# KiCad board backplane.20-slot.kicad_pcb (continued)
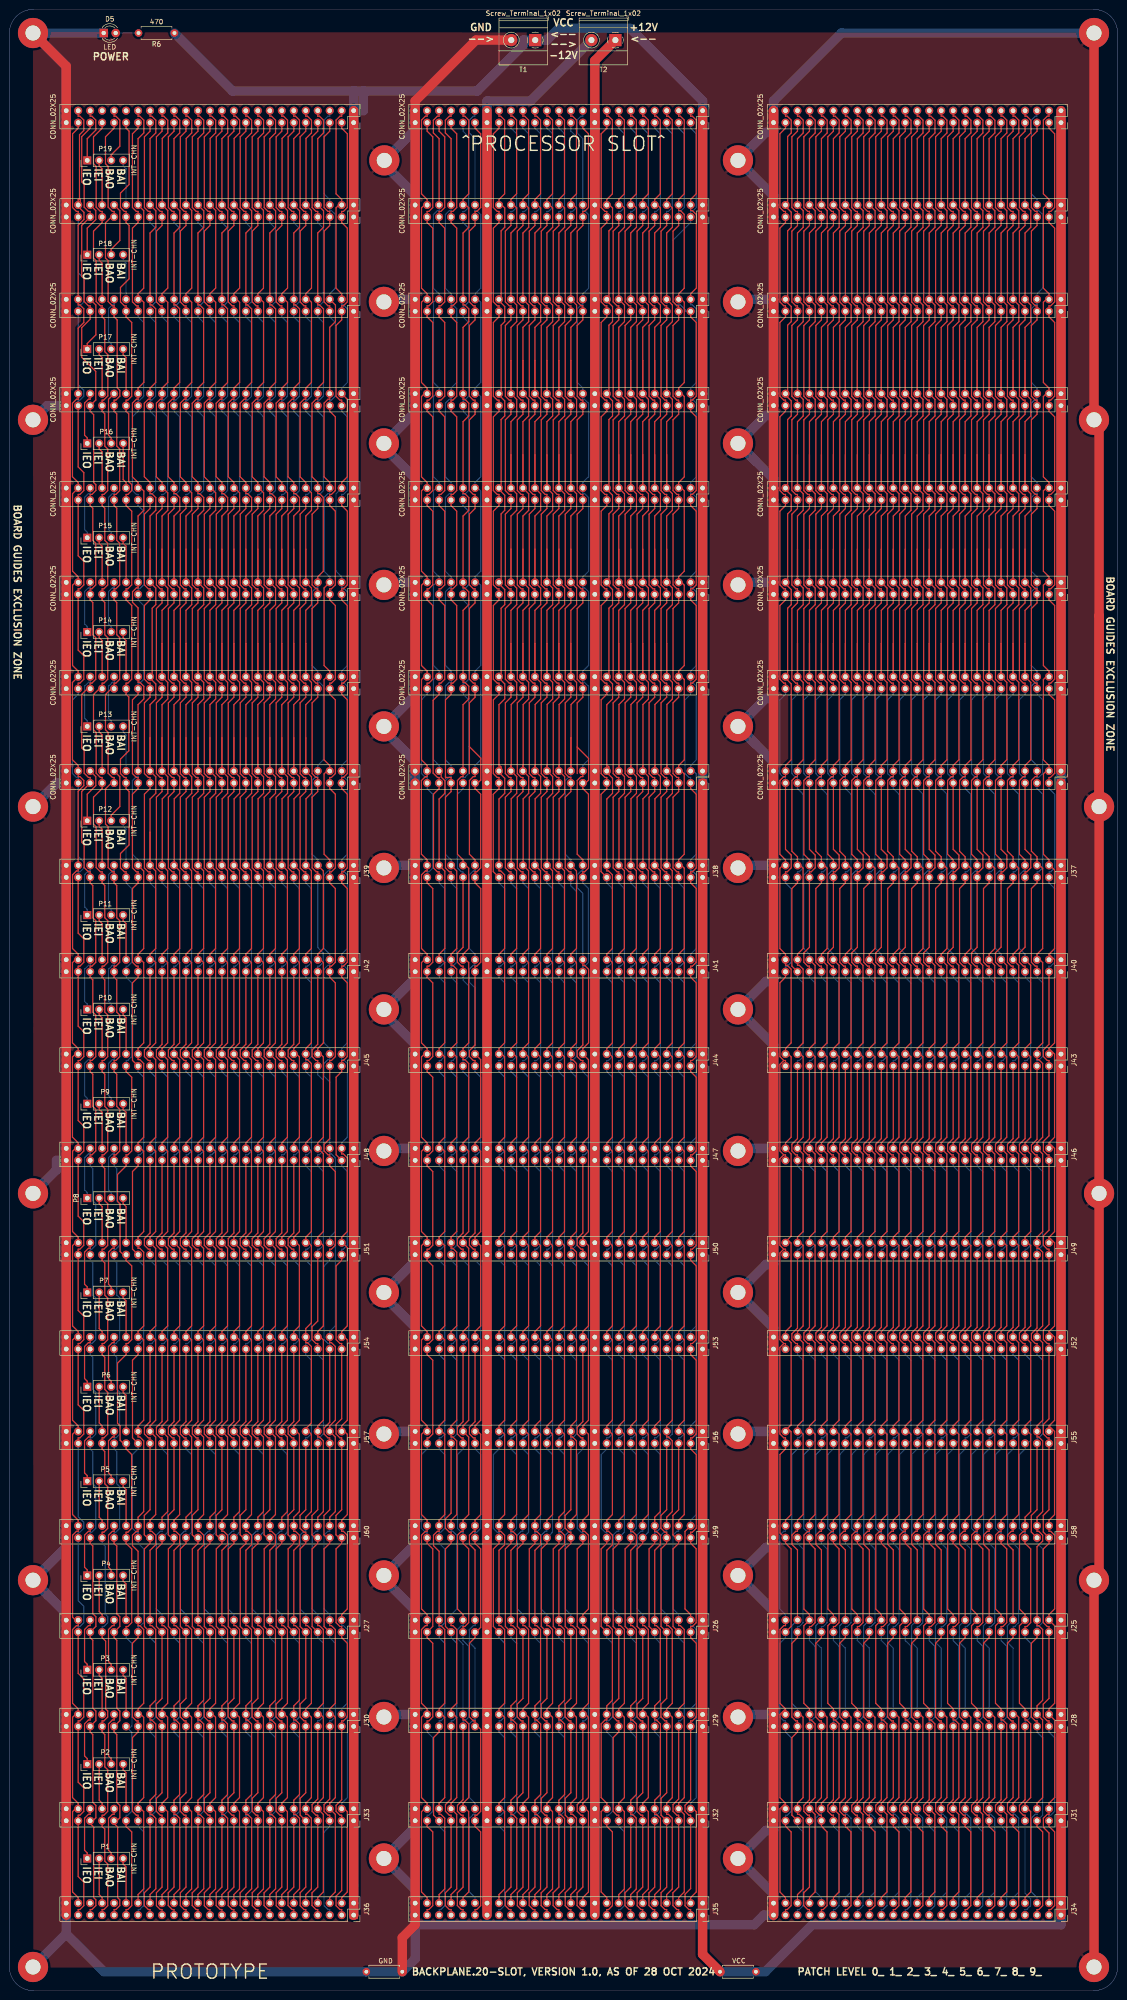
[diagram p0: board, top side]
## Routing (per net, layer and track width the routed paths; a pad name or vN(x,y) marks a point on that pad's centre or on a via; arc(x,y) is an arc through that point) (continued)
/UDS: length 429.9
  Top w0.25: J40.36 181.01,217.35 181.01,200.91 179.82,199.72 179.82,199.13 ; J9.36 179.82,305.57 ; J9.36 181.04,297.32 181.04,293.82 179.82,292.6 179.82,285.57 ; J9.36 179.82,305.57 ; 179.82,305.57 179.82,312.6 181.04,313.82 181.04,317.32 J12.36 ; 179.82,325.57 179.82,332.6 181.04,333.82 181.04,337.32 J15.36 ; 179.82,325.57 J12.36 ; 179.82,325.57 J12.36 ; 179.82,159.13 181.01,157.93 181.01,140.91 179.82,139.72 J52.36 181.01,137.35 181.01,120.91 179.82,119.72 179.82,119.13 ; 179.82,159.13 179.82,159.72 181.01,160.91 181.01,177.35 J46.36 179.82,179.72 181.01,180.91 181.01,197.93 179.82,199.13 ; 179.82,159.13 J49.36 ; 179.82,345.57 179.82,352.6 181.04,353.82 181.04,357.32 J18.36 179.82,372.6 181.04,373.82 181.04,377.32 J21.36 179.82,392.6 181.04,393.82 181.04,396.51 180.19,397.36 179.82,397.36 J24.36 ; 179.82,345.57 J15.36 ; 179.82,345.57 J15.36 ; J43.36 179.82,199.13 ; J6.36 181.04,277.32 181.04,260.93 179.82,259.72 J3.36 179.82,257.36 179.45,257.36 178.63,256.54 178.63,240.91 179.82,239.72 J37.36 ; J6.36 179.82,285.57 ; J6.36 179.82,285.57 ; 179.82,119.13 181.01,117.93 181.01,100.91 179.82,99.72 J58.36 179.82,97.36 179.45,97.36 178.64,96.56 178.64,80.89 179.82,79.72 J25.36 178.63,77.35 178.63,60.91 179.82,59.72 J28.36 179.82,57.36 180.19,57.36 181.01,56.54 181.01,40.91 179.82,39.72 J31.36 181.01,37.35 181.01,20.91 179.82,19.72 J34.36 ; 179.82,119.13 J55.36
  Bottom w0.25: J40.36 179.82,219.72 178.63,220.91 178.63,236.54 179.45,237.36 179.82,237.36 J37.36
/USER0: length 405.1
  Top w0.25: J36.38 27.28,20.35 28.47,21.54 28.47,37.94 27.28,39.13 ; J16.38 27.28,359.13 ; 27.28,359.13 28.5,357.91 28.5,340.93 27.28,339.72 J13.38 27.28,337.36 26.91,337.36 26.09,336.54 26.09,320.91 27.28,319.72 27.28,319.13 ; 27.28,359.13 27.28,359.72 28.47,360.91 28.47,377.35 J19.38 27.28,392.6 28.5,393.82 28.5,396.51 27.65,397.36 27.28,397.36 J22.38 ; 27.28,179.13 28.47,177.94 28.47,160.91 27.28,159.72 J51.38 27.28,157.36 27.65,157.36 28.47,156.54 28.47,140.91 27.28,139.72 27.28,139.13 ; 27.28,179.13 27.28,179.72 28.47,180.91 28.47,196.54 27.65,197.36 27.28,197.36 J45.38 27.28,199.72 28.47,200.91 28.47,217.94 27.28,219.13 ; 27.28,179.13 J48.38 ; 27.28,319.13 28.5,317.91 28.5,313.82 27.28,312.6 J7.38 27.28,297.36 26.91,297.36 26.1,296.55 26.1,294.3 27.28,293.13 J4.38 27.28,277.36 27.65,277.36 28.5,276.51 28.5,273.82 27.28,272.6 J1.38 ; 27.28,319.13 J10.38 ; 27.28,219.13 J42.38 ; 27.28,219.13 27.28,219.72 28.47,220.91 28.47,237.35 27.28,238.54 ; 27.28,238.54 J39.38 27.28,238.54 ; 27.28,59.13 27.28,59.72 28.47,60.91 28.47,76.54 27.65,77.36 27.28,77.36 J27.38 27.28,93.13 26.09,94.32 26.09,96.54 26.91,97.36 27.28,97.36 J60.38 27.28,100.35 28.47,101.54 28.47,116.54 27.65,117.36 27.28,117.36 J57.38 27.28,119.72 28.47,120.91 28.47,137.94 27.28,139.13 ; 27.28,59.13 J30.38 ; 27.28,59.13 28.47,57.94 28.47,40.91 27.28,39.72 27.28,39.13 ; 27.28,139.13 J54.38 ; 27.28,39.13 J33.38
  Bottom w0.25: J1.38 27.28,257.36 26.91,257.36 26.09,256.54 26.09,240.91 27.28,239.72 J39.38
/USER1: length 425.4
  Top w0.25: 29.82,179.13 29.82,179.72 31.01,180.91 31.01,197.35 J45.36 ; 29.82,179.13 31.01,177.93 31.01,160.91 29.82,159.72 29.82,159.13 ; 29.82,179.13 J48.36 ; J7.36 29.82,305.57 ; J7.36 31.04,297.32 31.04,293.82 30.27,293.05 30.27,278.54 ; J7.36 29.82,305.57 ; 29.82,305.57 29.82,312.6 31.04,313.82 31.04,316.51 30.19,317.36 29.82,317.36 J10.36 29.82,319.72 28.6,320.93 28.6,336.51 29.45,337.36 29.82,337.36 J13.36 29.82,339.72 31.02,340.91 31.02,356.53 30.19,357.36 29.82,357.36 J16.36 29.82,372.6 31.05,373.83 31.05,377.31 J19.36 29.82,392.6 31.04,393.82 31.04,396.51 30.19,397.36 29.82,397.36 J22.36 ; 29.82,278.54 30.27,278.54 ; 29.82,278.54 J4.36 29.82,278.54 ; 30.27,278.54 30.27,277.78 31.04,277.01 31.04,273.82 29.82,272.6 29.82,265.57 ; J42.36 29.82,219.13 ; 29.82,219.13 31.01,217.93 31.01,200.91 29.82,199.72 29.82,199.13 ; 29.82,219.13 29.82,219.72 31.01,220.91 31.01,237.35 J39.36 ; J39.36 29.82,245.57 ; J39.36 29.82,245.57 ; 29.82,119.13 29.82,119.72 31.01,120.91 31.01,137.93 29.82,139.13 ; 29.82,119.13 J57.36 ; 29.82,119.13 J57.36 ; 29.82,245.57 29.82,252.6 31.04,253.82 31.04,257.32 J1.36 ; J57.36 31.01,117.35 31.01,100.91 29.82,99.72 J60.36 29.82,97.36 30.19,97.36 31.01,96.54 31.01,94.52 29.82,93.33 J27.36 29.82,77.36 30.19,77.36 31.01,76.54 31.01,61.55 29.82,60.35 J30.36 29.82,57.36 30.19,57.36 31.03,56.52 31.03,41.57 29.82,40.35 J33.36 29.82,37.36 30.19,37.36 31.04,36.51 31.04,21.57 29.82,20.35 J36.36 ; J51.36 31.01,157.35 31.01,140.91 29.82,139.72 29.82,139.13 ; J51.36 29.82,159.13 ; J51.36 29.82,159.13 ; 29.82,139.13 J54.36 ; J45.36 29.82,199.13 ; J45.36 29.82,199.13 ; 29.82,265.57 J1.36 ; 29.82,265.57 J1.36
/USER2: length 426.4
  Top w0.25: 32.36,199.13 J45.34 ; 32.36,199.13 J45.34 ; 32.36,199.13 32.36,199.72 33.55,200.91 33.55,217.93 32.36,219.13 ; J45.34 33.55,197.35 33.55,180.91 32.36,179.72 32.36,179.13 ; 32.36,305.57 32.36,312.6 33.58,313.82 33.58,317.52 32.36,318.74 ; 32.36,305.57 J7.34 ; 32.36,305.57 J7.34 ; 32.36,285.57 J4.34 ; 32.36,285.57 J4.34 ; 32.36,285.57 32.36,292.6 33.58,293.82 33.58,297.32 J7.34 ; J4.34 33.58,277.32 33.58,273.82 32.36,272.6 32.36,265.57 ; 32.41,238.54 32.41,252.65 33.58,253.82 33.58,257.32 J1.34 ; 32.41,238.54 33.55,237.4 33.55,220.91 32.36,219.72 32.36,219.13 ; 32.41,238.54 32.36,238.54 ; 32.36,219.13 J42.34 ; J16.34 32.36,359.13 ; 32.36,359.13 32.36,359.72 33.58,360.93 33.58,377.37 32.41,378.54 ; 32.36,359.13 33.58,357.91 33.58,340.93 32.36,339.72 J13.34 32.36,337.36 31.99,337.36 31.17,336.54 31.17,320.91 32.36,319.72 32.36,318.74 ; 32.36,265.57 J1.34 ; 32.36,265.57 J1.34 ; 32.36,39.13 32.36,39.72 33.55,40.91 33.55,57.94 32.36,59.13 ; 32.36,39.13 33.55,37.94 33.55,21.54 32.36,20.35 J36.34 ; 32.36,39.13 J33.34 ; 32.36,139.13 33.55,137.93 33.55,120.91 32.36,119.72 32.36,119.13 ; 32.36,139.13 J54.34 ; 32.36,139.13 32.36,139.72 33.55,140.91 33.55,157.35 J51.34 ; 32.36,238.54 J39.34 32.36,238.54 ; 32.41,378.54 32.41,392.65 33.58,393.82 33.58,396.51 32.73,397.36 32.36,397.36 J22.34 ; 32.41,378.54 J19.34 ; 32.36,179.13 33.55,177.93 33.55,160.91 32.36,159.72 32.36,159.13 ; 32.36,179.13 J48.34 ; 32.36,59.13 32.36,59.72 33.55,60.91 33.55,76.54 32.73,77.36 32.36,77.36 J27.34 ; 32.36,59.13 J30.34 ; J51.34 32.36,159.13 ; J51.34 32.36,159.13 ; 32.36,119.13 J57.34 ; 32.36,119.13 J57.34 ; J10.34 32.36,318.74 ; J57.34 33.55,117.35 33.55,101.55 32.36,100.35 J60.34
  Bottom w0.25: J27.34 32.36,79.72 31.17,80.91 31.17,96.54 31.99,97.36 32.36,97.36 J60.34
/USER3: length 425.3
  Top w0.25: 34.9,179.13 36.09,177.93 36.09,160.91 34.9,159.72 34.9,159.13 ; 34.9,179.13 34.9,179.72 36.09,180.91 36.09,197.35 J45.32 ; 34.9,179.13 J48.32 ; J51.32 36.09,157.35 36.09,140.91 34.9,139.72 34.9,139.13 ; J51.32 34.9,159.13 ; J51.32 34.9,159.13 ; J54.32 34.9,139.13 ; 34.9,139.13 36.09,137.93 36.09,120.91 34.9,119.72 34.9,119.13 ; 34.9,119.13 J57.32 ; 34.9,119.13 J57.32 ; J1.32 34.9,265.57 ; J1.32 36.12,257.32 36.12,253.82 34.95,252.65 34.95,238.54 ; J1.32 34.9,265.57 ; 34.9,265.57 34.9,272.6 36.12,273.82 36.12,277.32 J4.32 ; J36.32 34.9,20.35 36.11,21.56 36.11,36.52 35.27,37.36 34.9,37.36 J33.32 34.9,40.35 36.08,41.53 36.08,56.55 35.27,57.36 34.9,57.36 J30.32 34.9,60.35 36.09,61.55 36.09,76.54 35.27,77.36 34.9,77.36 J27.32 34.9,93.33 36.09,94.52 36.09,96.54 35.27,97.36 34.9,97.36 J60.32 34.9,99.72 36.09,100.91 36.09,117.35 J57.32 ; 34.95,238.54 34.9,238.54 ; 34.95,238.54 36.09,237.4 36.09,220.91 34.9,219.72 34.9,219.13 ; 34.9,238.54 J39.32 34.9,238.54 ; 34.9,305.57 J7.32 ; 34.9,305.57 J7.32 ; 34.9,305.57 34.9,312.6 36.12,313.82 36.12,316.51 35.27,317.36 34.9,317.36 J10.32 34.9,319.72 33.68,320.93 33.68,336.51 34.53,337.36 34.9,337.36 J13.32 34.9,339.72 36.1,340.91 36.1,356.53 35.27,357.36 34.9,357.36 J16.32 34.9,372.6 36.13,373.83 36.13,377.31 J19.32 34.9,392.6 36.12,393.82 36.12,396.51 35.27,397.36 34.9,397.36 J22.32 ; J7.32 36.12,297.32 36.12,293.82 34.9,292.6 34.9,285.57 ; J4.32 34.9,285.57 ; J4.32 34.9,285.57 ; J42.32 34.9,219.13 ; 34.9,219.13 36.09,217.93 36.09,200.91 34.9,199.72 34.9,199.13 ; 34.9,199.13 J45.32 ; 34.9,199.13 J45.32
/USER4: length 426.4
  Top w0.25: 37.44,238.54 J39.30 37.44,238.54 ; 37.44,238.54 37.49,238.54 ; 37.44,265.57 37.44,272.6 38.66,273.82 38.66,277.32 J4.30 ; 37.44,265.57 J1.30 ; 37.44,265.57 J1.30 ; 37.49,238.54 38.63,237.4 38.63,220.91 37.44,219.72 37.44,219.13 ; 37.49,238.54 37.49,252.65 38.66,253.82 38.66,257.32 J1.30 ; J19.30 37.49,378.54 ; 37.49,378.54 38.66,377.37 38.66,360.93 37.44,359.72 37.44,359.13 ; 37.49,378.54 37.49,392.65 38.66,393.82 38.66,396.51 37.81,397.36 37.44,397.36 J22.30 ; 37.44,179.13 38.63,177.93 38.63,160.91 37.44,159.72 37.44,159.13 ; 37.44,179.13 J48.30 ; 37.44,179.13 37.44,179.72 38.63,180.91 38.63,197.35 J45.30 ; J4.30 37.44,285.57 ; J4.30 37.44,285.57 ; J51.30 38.63,157.35 38.63,140.91 37.44,139.72 37.44,139.13 ; J51.30 37.44,159.13 ; J51.30 37.44,159.13 ; 37.44,305.57 J7.30 ; 37.44,305.57 37.44,312.6 38.66,313.82 38.66,317.52 37.44,318.74 ; 37.44,305.57 J7.30 ; J7.30 38.66,297.32 38.66,293.82 37.44,292.6 37.44,285.57 ; J45.30 37.44,199.13 ; J45.30 37.44,199.13 ; 37.44,219.13 38.63,217.93 38.63,200.91 37.44,199.72 37.44,199.13 ; 37.44,219.13 J42.30 ; 37.44,139.13 J54.30 ; 37.44,139.13 38.63,137.93 38.63,120.91 37.44,119.72 37.44,119.13 ; J57.30 38.63,117.35 38.63,101.55 37.44,100.35 J60.30 ; J57.30 37.44,119.13 ; J57.30 37.44,119.13 ; J27.30 37.44,77.36 37.81,77.36 38.63,76.54 38.63,60.91 37.44,59.72 37.44,59.13 ; J36.30 37.44,20.35 38.63,21.54 38.63,37.94 37.44,39.13 ; 37.44,39.13 J33.30 ; 37.44,39.13 37.44,39.72 38.63,40.91 38.63,57.94 37.44,59.13 ; 37.44,359.13 38.66,357.91 38.66,340.93 37.44,339.72 J13.30 37.44,337.36 37.07,337.36 36.25,336.54 36.25,320.91 37.44,319.72 37.44,318.74 ; 37.44,359.13 J16.30 ; 37.44,318.74 J10.30 ; J30.30 37.44,59.13
  Bottom w0.25: J60.30 37.44,97.36 37.07,97.36 36.25,96.54 36.25,80.91 37.44,79.72 J27.30
/USER5: length 425.3
  Top w0.25: 39.98,159.13 J51.28 ; 39.98,159.13 39.98,159.72 41.17,160.91 41.17,177.93 39.98,179.13 ; 39.98,159.13 J51.28 ; J51.28 41.17,157.35 41.17,140.91 39.98,139.72 39.98,139.13 ; 39.98,238.54 J39.28 39.98,238.54 ; 39.98,238.54 40.03,238.54 ; J1.28 41.2,257.32 41.2,253.82 40.03,252.65 40.03,238.54 ; J1.28 39.98,265.57 ; J1.28 39.98,265.57 ; J57.28 41.17,117.35 41.17,100.91 39.98,99.72 J60.28 39.98,97.36 40.35,97.36 41.17,96.54 41.17,94.52 39.98,93.33 J27.28 39.98,77.36 40.35,77.36 41.17,76.54 41.17,61.55 39.98,60.35 J30.28 39.98,57.36 40.35,57.36 41.19,56.52 41.19,41.57 39.98,40.35 J33.28 39.98,37.36 40.35,37.36 41.2,36.51 41.2,21.57 39.98,20.35 J36.28 ; J57.28 39.98,119.13 ; J57.28 39.98,119.13 ; J4.28 41.2,277.32 41.2,273.82 39.98,272.6 39.98,265.57 ; J4.28 39.98,285.57 ; J4.28 39.98,285.57 ; 39.98,285.57 39.98,292.6 41.2,293.82 41.2,297.32 J7.28 ; 39.98,119.13 39.98,119.72 41.17,120.91 41.17,137.93 39.98,139.13 ; 39.98,219.13 41.17,217.93 41.17,200.91 39.98,199.72 39.98,199.13 ; 39.98,219.13 J42.28 ; 39.98,219.13 39.98,219.72 41.17,220.91 41.17,237.4 40.03,238.54 ; 39.98,139.13 J54.28 ; 39.98,305.57 J7.28 ; 39.98,305.57 39.98,312.6 41.2,313.82 41.2,316.51 40.35,317.36 39.98,317.36 J10.28 39.98,319.72 38.76,320.93 38.76,336.51 39.61,337.36 39.98,337.36 J13.28 39.98,339.72 41.18,340.91 41.18,356.53 40.35,357.36 39.98,357.36 J16.28 39.98,372.6 41.21,373.83 41.21,377.31 J19.28 39.98,392.6 41.2,393.82 41.2,396.51 40.35,397.36 39.98,397.36 J22.28 ; 39.98,305.57 J7.28 ; 39.98,199.13 J45.28 ; 39.98,199.13 J45.28 ; J45.28 41.17,197.35 41.17,180.91 39.98,179.72 39.98,179.13 ; 39.98,179.13 J48.28
/USER6: length 426.4
  Top w0.25: 42.52,179.13 42.52,179.72 43.71,180.91 43.71,197.35 J45.26 ; 42.52,179.13 J48.26 ; 42.52,179.13 43.71,177.93 43.71,160.91 42.52,159.72 42.52,159.13 ; J42.26 42.52,219.13 ; 42.52,219.13 42.52,219.72 43.71,220.91 43.71,237.4 42.57,238.54 ; 42.52,219.13 43.71,217.93 43.71,200.91 42.52,199.72 42.52,199.13 ; 42.52,265.57 J1.26 ; 42.52,265.57 J1.26 ; 42.52,265.57 42.52,272.6 43.74,273.82 43.74,277.32 J4.26 ; J1.26 43.74,257.32 43.74,253.82 42.57,252.65 42.57,238.54 ; J22.26 42.52,397.36 42.89,397.36 43.74,396.51 43.74,393.82 42.57,392.65 42.57,378.54 ; 42.52,159.13 J51.26 ; 42.52,159.13 J51.26 ; J51.26 43.71,157.35 43.71,140.91 42.52,139.72 42.52,139.13 ; 42.52,139.13 43.71,137.93 43.71,120.91 42.52,119.72 42.52,119.13 ; 42.52,139.13 J54.26 ; J33.26 42.52,39.13 ; 42.52,39.13 43.71,37.94 43.71,21.54 42.52,20.35 J36.26 ; 42.52,39.13 42.52,39.72 43.71,40.91 43.71,57.94 42.52,59.13 ; 42.57,238.54 42.52,238.54 ; 42.52,199.13 J45.26 ; 42.52,199.13 J45.26 ; 42.52,305.57 J7.26 ; 42.52,305.57 J7.26 ; 42.52,305.57 42.52,312.6 43.74,313.82 43.74,317.52 42.52,318.74 ; J7.26 43.74,297.32 43.74,293.82 42.52,292.6 42.52,285.57 ; J19.26 42.57,378.54 ; 42.57,378.54 43.74,377.37 43.74,360.93 42.52,359.72 42.52,359.13 ; 42.52,119.13 J57.26 ; 42.52,119.13 J57.26 ; J57.26 43.71,117.35 43.71,101.55 42.52,100.35 J60.26 ; 42.52,59.13 42.52,59.72 43.71,60.91 43.71,76.54 42.89,77.36 42.52,77.36 J27.26 ; 42.52,59.13 J30.26 ; 42.52,318.74 42.52,319.72 41.33,320.91 41.33,336.54 42.15,337.36 42.52,337.36 J13.26 42.52,339.72 43.74,340.93 43.74,357.91 42.52,359.13 ; 42.52,318.74 J10.26 ; 42.52,359.13 J16.26 ; 42.52,285.57 J4.26 ; 42.52,285.57 J4.26 ; 42.52,238.54 J39.26 42.52,238.54
  Bottom w0.25: J60.26 42.52,97.36 42.15,97.36 41.33,96.54 41.33,80.91 42.52,79.72 J27.26
/USER7: length 425.3
  Top w0.25: J51.24 46.25,157.35 46.25,140.91 45.06,139.72 45.06,139.13 ; J51.24 45.06,159.13 ; J51.24 45.06,159.13 ; 45.06,265.57 J1.24 ; 45.06,265.57 45.06,272.6 46.28,273.82 46.28,277.32 J4.24 ; 45.06,265.57 J1.24 ; J1.24 46.28,257.32 46.28,253.82 45.11,252.65 45.11,238.54 ; J48.24 45.06,179.13 ; 45.06,179.13 46.25,177.93 46.25,160.91 45.06,159.72 45.06,159.13 ; 45.06,179.13 45.06,179.72 46.25,180.91 46.25,197.35 J45.24 ; 45.06,238.54 J39.24 45.06,238.54 ; 45.06,238.54 45.11,238.54 ; 45.06,219.13 45.06,219.72 46.25,220.91 46.25,237.4 45.11,238.54 ; 45.06,219.13 46.25,217.93 46.25,200.91 45.06,199.72 45.06,199.13 ; 45.06,219.13 J42.24 ; J36.24 45.06,20.35 46.27,21.56 46.27,36.52 45.43,37.36 45.06,37.36 J33.24 45.06,40.35 46.24,41.53 46.24,56.55 45.43,57.36 45.06,57.36 J30.24 45.06,60.35 46.25,61.55 46.25,76.54 45.43,77.36 45.06,77.36 J27.24 45.06,93.33 46.25,94.52 46.25,96.54 45.43,97.36 45.06,97.36 J60.24 45.06,99.72 46.25,100.91 46.25,117.35 J57.24 ; J57.24 45.06,119.13 ; J57.24 45.06,119.13 ; 45.06,119.13 45.06,119.72 46.25,120.91 46.25,137.93 45.06,139.13 ; J7.24 45.06,305.57 ; J7.24 45.06,305.57 ; J7.24 46.28,297.32 46.28,293.82 45.06,292.6 45.06,285.57 ; 45.06,305.57 45.06,312.6 46.28,313.82 46.28,316.51 45.43,317.36 45.06,317.36 J10.24 45.06,319.72 43.84,320.93 43.84,336.51 44.7,337.36 45.06,337.36 J13.24 45.06,339.72 46.26,340.91 46.26,356.53 45.43,357.36 45.06,357.36 J16.24 45.06,372.6 46.29,373.83 46.29,377.31 J19.24 45.06,392.6 46.28,393.82 46.28,396.51 45.43,397.36 45.06,397.36 J22.24 ; J45.24 45.06,199.13 ; J45.24 45.06,199.13 ; 45.06,285.57 J4.24 ; 45.06,285.57 J4.24 ; 45.06,139.13 J54.24
/USER8: length 426.4
  Top w0.25: J51.22 48.79,157.35 48.79,140.91 47.6,139.72 47.6,139.13 ; J51.22 47.6,159.13 ; J51.22 47.6,159.13 ; 47.6,359.13 48.82,357.91 48.82,340.93 47.6,339.72 J13.22 47.6,337.36 47.23,337.36 46.41,336.54 46.41,320.91 47.6,319.72 47.6,318.74 ; 47.6,359.13 J16.22 ; 47.6,359.13 47.6,359.72 48.82,360.93 48.82,377.37 47.65,378.54 ; 47.6,318.74 48.82,317.52 48.82,313.82 47.6,312.6 47.6,305.57 ; 47.6,318.74 J10.22 ; J36.22 47.6,20.35 48.79,21.54 48.79,37.94 47.6,39.13 ; 47.6,285.57 J4.22 ; 47.6,285.57 J4.22 ; 47.6,285.57 47.6,292.6 48.82,293.82 48.82,297.32 J7.22 ; J4.22 48.82,277.32 48.82,273.82 47.6,272.6 47.6,265.57 ; 47.6,59.13 47.6,59.72 48.79,60.91 48.79,76.54 47.97,77.36 47.6,77.36 J27.22 ; 47.6,59.13 J30.22 ; 47.6,59.13 48.79,57.94 48.79,40.91 47.6,39.72 47.6,39.13 ; 47.6,219.13 47.6,219.72 48.79,220.91 48.79,237.4 47.65,238.54 ; 47.6,219.13 J42.22 ; 47.6,219.13 48.79,217.93 48.79,200.91 47.6,199.72 47.6,199.13 ; 47.6,39.13 J33.22 ; 47.6,159.13 47.6,159.72 48.79,160.91 48.79,177.93 47.6,179.13 ; 47.65,378.54 J19.22 ; 47.65,378.54 47.65,392.65 48.82,393.82 48.82,396.51 47.97,397.36 47.6,397.36 J22.22 ; 47.6,305.57 J7.22 ; 47.6,305.57 J7.22 ; J57.22 48.79,117.35 48.79,101.55 47.6,100.35 J60.22 ; J57.22 47.6,119.13 ; J57.22 47.6,119.13 ; 47.6,119.13 47.6,119.72 48.79,120.91 48.79,137.93 47.6,139.13 ; 47.6,238.54 J39.22 47.6,238.54 ; 47.6,238.54 47.65,238.54 ; J48.22 47.6,179.13 ; 47.6,179.13 47.6,179.72 48.79,180.91 48.79,197.35 J45.22 ; 47.6,265.57 J1.22 ; 47.6,265.57 J1.22 ; J1.22 48.82,257.32 48.82,253.82 47.65,252.65 47.65,238.54 ; 47.6,199.13 J45.22 ; 47.6,199.13 J45.22 ; 47.6,139.13 J54.22
  Bottom w0.25: J27.22 47.6,79.72 46.41,80.91 46.41,96.54 47.23,97.36 47.6,97.36 J60.22
/~{BAI-1}: length 9.7
  Top w0.25: P1.4 24.12,26.82 24.74,26.2 J36.40
/~{BAI-2}: length 9.7
  Top w0.25: P2.4 24.12,46.82 24.74,46.2 J33.40
/~{BAI-3}: length 9.7
  Top w0.25: P3.4 24.12,66.82 24.74,66.2 J30.40
/~{BAI-4}: length 9.7
  Top w0.25: J27.40 24.74,86.2 24.12,86.82 P4.4
/~{BAI-5}: length 9.7
  Top w0.25: J60.40 24.74,106.2 24.12,106.82 P5.4
/~{BAI-6}: length 9.7
  Top w0.25: J57.40 24.74,126.2 24.12,126.82 P6.4
/~{BAI-7}: length 9.7
  Top w0.25: P7.4 24.12,146.82 24.74,146.2 J54.40
/~{BAI-8}: length 9.7
  Top w0.25: P8.4 24.12,166.82 24.74,166.2 J51.40
/~{BAI-9}: length 9.7
  Top w0.25: J48.40 24.74,186.2 24.12,186.82 P9.4
/~{BAI-10}: length 9.7
  Top w0.25: J45.40 24.74,206.2 24.12,206.82 P10.4
/~{BAI-11}: length 9.7
  Top w0.25: P11.4 24.12,226.82 24.74,226.2 J42.40
/~{BAI-12}: length 9.7
  Bottom w0.25: P12.4 24.12,246.82 24.74,246.2 J39.40
/~{BAI-13}: length 9.7
  Bottom w0.25: J1.40 24.74,266.2 24.12,266.82 P13.4
/~{BAI-14}: length 9.7
  Top w0.25: J4.40 24.74,286.2 24.12,286.82 P14.4
/~{BAI-15}: length 9.7
  Top w0.25: P15.4 24.12,306.82 24.74,306.2 J7.40
/~{BAI-16}: length 9.7
  Top w0.25: J10.40 24.74,319.72 24.12,320.34 P16.4
/~{BAI-17}: length 9.7
  Top w0.25: J13.40 24.74,346.2 24.12,346.82 P17.4
/~{BAI-18}: length 9.7
  Bottom w0.25: P18.4 24.12,366.82 24.74,366.2 J16.40
/~{BAI-19}: length 9.7
  Bottom w0.25: J19.40 24.74,386.2 24.12,386.82 P19.4
/~{BAO-2}: length 11.5
  Top w0.25: P1.3 21.58,29.18 21.01,29.74 21.01,36.54 21.83,37.36 22.2,37.36 J33.42
/~{BAO-3}: length 11.5
  Top w0.25: P2.3 21.58,49.18 21.01,49.74 21.01,56.54 21.83,57.36 22.2,57.36 J30.42
/~{BAO-4}: length 11.5
  Top w0.25: P3.3 21.58,69.18 21.01,69.74 21.01,76.54 21.83,77.36 22.2,77.36 J27.42
/~{BAO-5}: length 11.5
  Top w0.25: P4.3 21.58,89.18 21.01,89.74 21.01,96.54 21.83,97.36 22.2,97.36 J60.42
/~{BAO-6}: length 11.5
  Top w0.25: P5.3 21.58,109.18 21.01,109.74 21.01,116.54 21.83,117.36 22.2,117.36 J57.42
/~{BAO-7}: length 11.5
  Top w0.25: J54.42 22.2,137.36 21.83,137.36 21.01,136.54 21.01,129.74 21.58,129.18 P6.3
/~{BAO-8}: length 11.5
  Top w0.25: P7.3 21.58,149.18 21.01,149.74 21.01,156.54 21.83,157.36 22.2,157.36 J51.42
/~{BAO-9}: length 11.5
  Bottom w0.25: J48.42 22.2,177.36 21.83,177.36 21.01,176.54 21.01,169.74 21.58,169.18 P8.3
/~{BAO-10}: length 11.5
  Bottom w0.25: P9.3 21.58,189.18 21.01,189.74 21.01,196.54 21.83,197.36 22.2,197.36 J45.42
/~{BAO-11}: length 11.5
  Bottom w0.25: P10.3 21.58,209.18 21.01,209.74 21.01,216.54 21.83,217.36 22.2,217.36 J42.42
/~{BAO-12}: length 11.5
  Bottom w0.25: P11.3 21.58,229.18 21.01,229.74 21.01,236.54 21.83,237.36 22.2,237.36 J39.42
/~{BAO-13}: length 11.8
  Top w0.25: 22.2,258.54 23.41,257.33 23.41,251 21.58,249.18 P12.3 ; 22.2,258.54 J1.42 22.2,258.54
/~{BAO-14}: length 11.5
  Bottom w0.25: J4.42 22.2,277.36 21.83,277.36 21.01,276.54 21.01,269.74 21.58,269.18 P13.3
/~{BAO-15}: length 11.5
  Bottom w0.25: J7.42 22.2,297.36 21.83,297.36 21.01,296.54 21.01,289.74 21.58,289.18 P14.3
/~{BAO-16}: length 11.5
  Bottom w0.25: J10.42 22.2,317.36 21.83,317.36 21.01,316.54 21.01,309.74 21.58,309.18 P15.3
/~{BAO-17}: length 11.3
  Top w0.25: P16.3 21.58,329.18 21.01,329.74 21.01,337.35 J13.42
/~{BAO-18}: length 11.5
  Bottom w0.25: P17.3 21.58,349.18 21.01,349.74 21.01,356.54 21.83,357.36 22.2,357.36 J16.42
/~{BAO-19}: length 11.8
  Top w0.25: J19.42 23.41,377.33 23.41,371 21.58,369.18 P18.3
/~{BAO-20}: length 12
  Top w0.25: J22.42 22.2,397.36 22.57,397.36 23.41,396.52 23.41,391 21.58,389.18 P19.3
/~{BHE}: length 403.2
  Top w0.25: J37.41 172.2,234.82 171.01,233.63 171.01,218 171.83,217.18 172.2,217.18 J40.41 ; J52.41 172.2,137.18 171.83,137.18 171.01,138 171.01,139.42 172.2,140.61 J49.41 ; J43.41 172.2,180.61 171.01,179.42 171.01,178 171.83,177.18 172.2,177.18 J46.41 ; J25.41 172.2,74.82 171.01,73.63 171.01,58 171.83,57.18 172.2,57.18 J28.41 172.2,40.91 171.01,39.72 171.01,38 171.83,37.18 172.2,37.18 J31.41 172.2,34.82 173.39,33.63 173.39,18 172.57,17.18 172.2,17.18 J34.41 ; J24.41 172.2,394.19 171.01,393 171.01,378 171.84,377.18 172.2,377.18 J21.41 172.2,374.19 171.01,373 171.01,358 171.84,357.18 172.2,357.18 J18.41 172.2,354.19 171.01,353 171.01,338 171.84,337.18 172.2,337.18 J15.41 172.2,334.19 171.01,333 171.01,318 171.84,317.18 172.2,317.18 J12.41 172.2,314.19 171.01,313 171.01,298 171.84,297.18 172.2,297.18 J9.41 172.2,294.19 171.01,293 171.01,278 171.84,277.18 172.2,277.18 J6.41
  Bottom w0.25: J40.41 172.2,214.82 173.39,213.63 173.39,198 172.57,197.18 172.2,197.18 J43.41 ; J37.41 172.2,237.18 172.57,237.18 173.39,238 173.39,253.63 172.2,254.82 J3.41 172.2,257.18 171.83,257.18 171.01,258 171.01,273.63 172.2,274.82 J6.41 ; J49.41 172.2,157.18 172.57,157.18 173.39,158 173.39,173.63 172.2,174.82 J46.41 ; J58.41 172.2,95.41 ; 172.2,95.41 171.02,96.59 171.02,113.65 172.2,114.82 J55.41 172.2,117.18 172.57,117.18 173.39,118 173.39,133.63 172.2,134.82 J52.41 ; 172.2,95.41 172.2,94.82 173.39,93.63 173.39,78 172.57,77.18 172.2,77.18 J25.41
/~{BUSACK}: length 402.4
  Top w0.25: J39.13 57.76,237.18 57.4,237.18 56.57,238 56.57,253 57.76,254.19 J1.13 57.76,257.18 57.4,257.18 56.57,258 56.57,273 57.76,274.19 J4.13 57.76,277.18 57.4,277.18 56.57,278 56.57,293 57.76,294.19 J7.13 57.76,297.18 57.4,297.18 56.57,298 56.57,313 57.76,314.19 J10.13 ; J60.13 57.76,94.82 56.57,93.63 56.57,77.19 J27.13 57.76,61.94 56.55,60.72 56.55,58.02 57.39,57.18 57.76,57.18 J30.13 57.76,41.94 56.57,40.74 56.57,38 57.39,37.18 57.76,37.18 J33.13 57.76,21.94 56.57,20.75 56.57,17.99 57.39,17.18 57.76,17.18 J36.13 ; J22.13 57.76,394.19 56.57,393 56.57,378 57.4,377.18 57.76,377.18 J19.13 57.76,374.19 56.58,373.01 56.58,357.99 57.4,357.18 57.76,357.18 J16.13 ; J42.13 57.76,200.61 56.57,199.42 56.57,198 57.4,197.18 57.76,197.18 J45.13 ; J48.13 57.76,160.61 56.57,159.42 56.57,158 57.4,157.18 57.76,157.18 J51.13 ; J54.13 57.76,120.61 56.57,119.42 56.57,118 57.4,117.18 57.76,117.18 J57.13
  Bottom w0.25: J16.13 57.76,354.82 58.95,353.63 58.95,338 58.12,337.18 57.76,337.18 J13.13 57.76,334.82 58.95,333.63 58.95,318 58.13,317.18 57.76,317.18 J10.13 ; J51.13 57.76,154.82 58.95,153.63 58.95,138 58.13,137.18 57.76,137.18 J54.13 ; J45.13 57.76,194.82 58.95,193.63 58.95,178 58.13,177.18 57.76,177.18 J48.13 ; J60.13 58.93,97.18 58.93,113.65 57.76,114.82 J57.13 ; J42.13 57.76,217.18 58.13,217.18 58.95,218 58.95,233.63 57.76,234.82 J39.13
/~{BUSERR}: length 403.2
  Top w0.25: J43.35 179.82,180.61 178.63,179.42 178.63,178 179.45,177.18 179.82,177.18 J46.35 ; J49.35 179.82,140.61 178.63,139.42 178.63,138 179.45,137.18 179.82,137.18 J52.35 ; J3.35 179.82,241.94 181.04,240.72 181.04,238.03 180.19,237.18 179.82,237.18 J37.35 179.82,221.18 178.63,219.99 178.63,218 179.45,217.18 179.82,217.18 J40.35 ; J28.35 179.82,40.46 178.63,39.27 178.63,38 179.45,37.18 179.82,37.18 J31.35 ; J24.35 179.82,394.19 178.63,393 178.63,378 179.46,377.18 179.82,377.18 J21.35 179.82,374.19 178.63,373 178.63,358 179.46,357.18 179.82,357.18 J18.35 179.82,354.19 178.63,353 178.63,338 179.46,337.18 179.82,337.18 J15.35 179.82,334.19 178.63,333 178.63,318 179.46,317.18 179.82,317.18 J12.35 179.82,314.19 178.63,313 178.63,298 179.46,297.18 179.82,297.18 J9.35 179.82,294.19 178.63,293 178.63,278 179.46,277.18 179.82,277.18 J6.35 ; J58.35 179.82,94.82 181.01,93.63 181.01,78 180.19,77.18 179.82,77.18 J25.35
  Bottom w0.25: J28.35 179.82,57.18 180.19,57.18 181.01,58 181.01,73 179.82,74.19 J25.35 ; 179.82,115.41 179.82,114.82 178.63,113.63 178.63,98 179.45,97.18 179.82,97.18 J58.35 ; 179.82,115.41 J55.35 ; 179.82,115.41 181.01,116.61 181.01,133.63 179.82,134.82 J52.35 ; J31.35 179.82,34.82 181.01,33.63 181.01,18 180.19,17.18 179.82,17.18 J34.35 ; J6.35 179.82,274.82 178.63,273.63 178.63,258 179.45,257.18 179.82,257.18 J3.35 ; J49.35 179.82,157.18 180.19,157.18 181.01,158 181.01,173.63 179.82,174.82 J46.35 ; J40.35 179.82,214.82 181.01,213.63 181.01,198 180.19,197.18 179.82,197.18 J43.35
